# KiCad board SimulTypeUltraFullMag.kicad_pcb (continued)
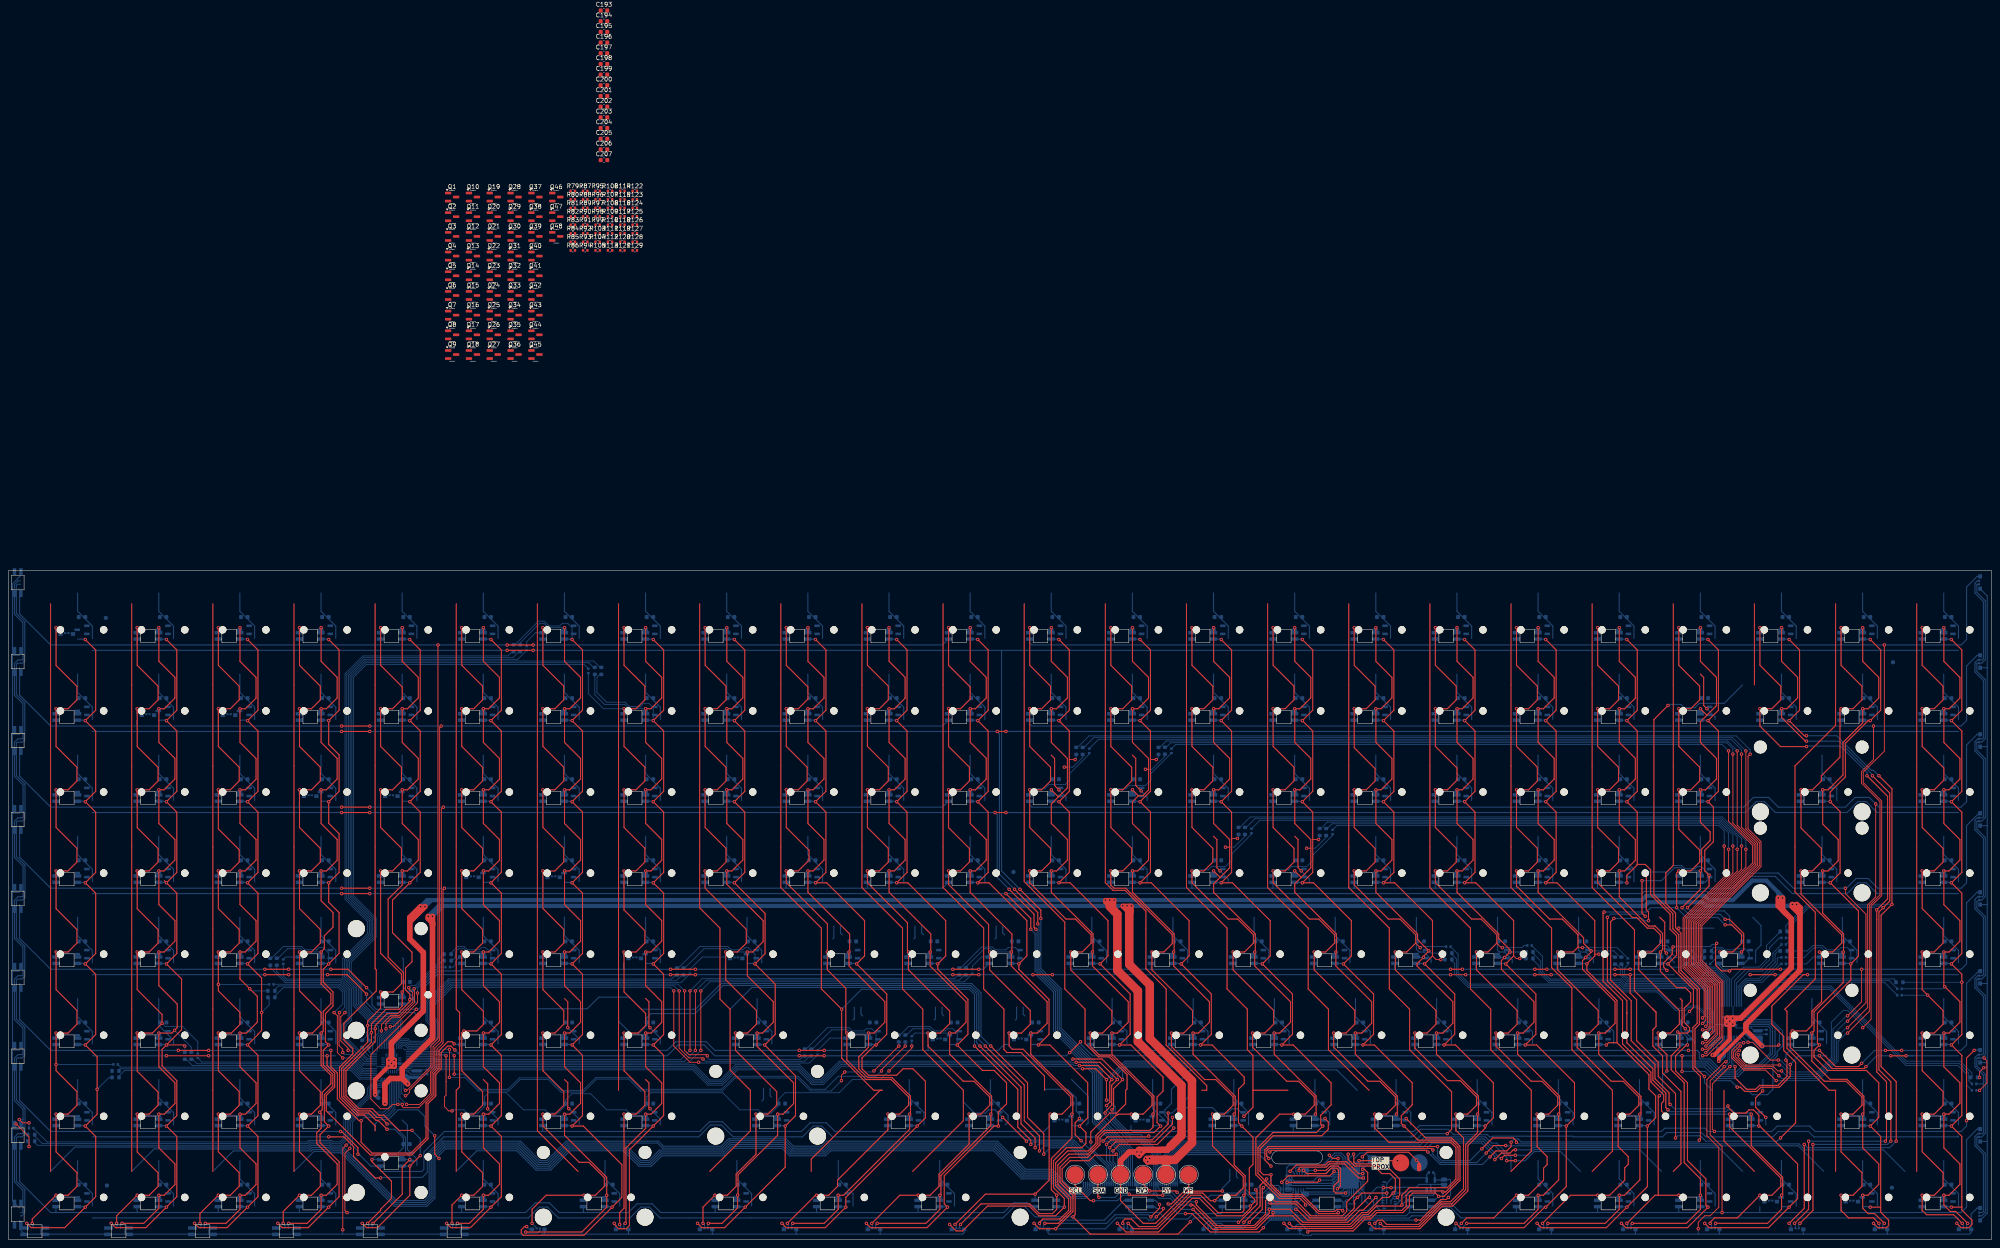
[diagram p0: board, top side]
## Placement (name value [footprint] x y rotation side) (continued)
LED136  ASMB-MTB1-0A3A2  [6028RGB]  389.92 46.56 0 bottom
LED137  ASMB-MTB1-0A3A2  [6028RGB]  420.88 46.56 0 bottom
LED138  ASMB-MTB1-0A3A2  [6028RGB]  451.83 46.56 0 bottom
LED139  ASMB-MTB1-0A3A2  [6028RGB]  13.68 27.51 0 bottom
LED140  ASMB-MTB1-0A3A2  [6028RGB]  32.73 27.51 0 bottom
LED141  ASMB-MTB1-0A3A2  [6028RGB]  51.78 27.51 0 bottom
LED142  ASMB-MTB1-0A3A2  [6028RGB]  70.83 27.51 0 bottom
LED143  ASMB-MTB1-0A3A2  [6028RGB]  89.88 17.99 0 bottom
LED144  ASMB-MTB1-0A3A2  [6028RGB]  108.93 27.51 0 bottom
LED145  ASMB-MTB1-0A3A2  [6028RGB]  127.98 27.51 0 bottom
LED146  ASMB-MTB1-0A3A2  [6028RGB]  147.03 27.51 0 bottom
LED147  ASMB-MTB1-0A3A2  [6028RGB]  177.99 27.51 0 bottom
LED148  ASMB-MTB1-0A3A2  [6028RGB]  208.95 27.51 0 bottom
LED149  ASMB-MTB1-0A3A2  [6028RGB]  228 27.51 0 bottom
LED150  ASMB-MTB1-0A3A2  [RGBSIDELENS]  247.05 27.51 0 bottom
LED151  ASMB-MTB1-0A3A2  [RGBSIDELENS]  266.1 27.51 0 bottom
LED152  ASMB-MTB1-0A3A2  [6028RGB]  285.15 27.51 0 bottom
LED153  ASMB-MTB1-0A3A2  [6028RGB]  304.2 27.51 0 bottom
LED154  ASMB-MTB1-0A3A2  [6028RGB]  323.25 27.51 0 bottom
LED155  ASMB-MTB1-0A3A2  [6028RGB]  342.3 27.51 0 bottom
LED156  ASMB-MTB1-0A3A2  [6028RGB]  361.35 27.51 0 bottom
LED157  ASMB-MTB1-0A3A2  [6028RGB]  380.4 27.51 0 bottom
LED158  ASMB-MTB1-0A3A2  [6028RGB]  406.59 27.51 0 bottom
LED159  ASMB-MTB1-0A3A2  [6028RGB]  432.78 27.51 0 bottom
LED160  ASMB-MTB1-0A3A2  [6028RGB]  451.83 27.51 0 bottom
LED161  ASMB-MTB1-0A3A2  [6028RGB]  13.68 8.46 0 bottom
LED162  ASMB-MTB1-0A3A2  [6028RGB]  32.73 8.46 0 bottom
LED163  ASMB-MTB1-0A3A2  [6028RGB]  51.78 8.46 0 bottom
LED164  ASMB-MTB1-0A3A2  [6028RGB]  70.83 8.46 0 bottom
LED165  ASMB-MTB1-0A3A2  [6028RGB]  108.93 8.46 0 bottom
LED166  ASMB-MTB1-0A3A2  [6028RGB]  137.51 8.46 0 bottom
LED167  ASMB-MTB1-0A3A2  [6028RGB]  168.47 8.46 0 bottom
LED168  ASMB-MTB1-0A3A2  [6028RGB]  192.28 8.46 0 bottom
LED169  ASMB-MTB1-0A3A2  [6028RGB]  216.09 8.46 0 bottom
LED170  ASMB-MTB1-0A3A2  [6028RGB]  287.53 8.46 0 bottom
LED171  ASMB-MTB1-0A3A2  [6028RGB]  356.58 8.46 0 bottom
LED172  ASMB-MTB1-0A3A2  [6028RGB]  375.63 8.46 0 bottom
LED173  ASMB-MTB1-0A3A2  [6028RGB]  394.68 8.46 0 bottom
LED174  ASMB-MTB1-0A3A2  [RGBSIDELENS]  413.73 8.46 0 bottom
LED175  ASMB-MTB1-0A3A2  [RGBSIDELENS]  432.78 8.46 0 bottom
LED176  ASMB-MTB1-0A3A2  [6028RGB]  451.83 8.46 0 bottom
LED177  ASMB-MTB1-0A3A2  [6028RGB]  243.53 8.46 0 bottom
LED178  ASMB-MTB1-0A3A2  [6028RGB]  265.53 8.46 0 bottom
LED179  ASMB-MTB1-0A3A2  [6028RGB]  309.53 8.46 0 bottom
LED180  ASMB-MTB1-0A3A2  [6028RGB]  331.53 8.46 0 bottom
LED181  ASMB-MTB1-0A3A2  [6028RGB]  2.16 154.33 270 bottom
LED182  ASMB-MTB1-0A3A2  [6028RGB]  2.16 135.78 270 bottom
LED183  ASMB-MTB1-0A3A2  [6028RGB]  2.16 117.23 270 bottom
LED184  ASMB-MTB1-0A3A2  [6028RGB]  2.16 98.69 270 bottom
LED185  ASMB-MTB1-0A3A2  [6028RGB]  2.16 80.14 270 bottom
LED186  ASMB-MTB1-0A3A2  [6028RGB]  2.16 61.59 270 bottom
LED187  ASMB-MTB1-0A3A2  [6028RGB]  2.16 43.04 270 bottom
LED188  ASMB-MTB1-0A3A2  [6028RGB]  2.16 24.49 270 bottom
LED189  ASMB-MTB1-0A3A2  [6028RGB]  2.16 5.94 270 bottom
LED190  ASMB-MTB1-0A3A2  [6028RGB]  6.16 1.94 0 bottom
LED191  ASMB-MTB1-0A3A2  [6028RGB]  25.86 1.94 0 bottom
LED192  ASMB-MTB1-0A3A2  [6028RGB]  45.57 1.94 0 bottom
LED193  ASMB-MTB1-0A3A2  [6028RGB]  65.27 1.94 0 bottom
LED194  ASMB-MTB1-0A3A2  [6028RGB]  84.98 1.94 0 bottom
LED195  ASMB-MTB1-0A3A2  [6028RGB]  104.68 1.94 0 bottom
LED196  ASMB-MTB1-0A3A2  [RGBSIDELENS]  124.38 1.94 0 bottom
LED197  ASMB-MTB1-0A3A2  [RGBSIDELENS]  144.09 1.94 0 bottom
LED198  ASMB-MTB1-0A3A2  [RGBSIDELENS]  163.79 1.94 0 bottom
LED199  ASMB-MTB1-0A3A2  [RGBSIDELENS]  183.5 1.94 0 bottom
LED200  ASMB-MTB1-0A3A2  [RGBSIDELENS]  203.2 1.94 0 bottom
LED201  ASMB-MTB1-0A3A2  [RGBSIDELENS]  222.91 1.94 0 bottom
LED202  ASMB-MTB1-0A3A2  [RGBSIDELENS]  242.61 1.94 0 bottom
LED203  ASMB-MTB1-0A3A2  [RGBSIDELENS]  262.31 1.94 0 bottom
LED204  ASMB-MTB1-0A3A2  [RGBSIDELENS]  282.02 1.94 0 bottom
LED205  ASMB-MTB1-0A3A2  [RGBSIDELENS]  301.72 1.94 0 bottom
LED206  ASMB-MTB1-0A3A2  [RGBSIDELENS]  321.43 1.94 0 bottom
LED207  ASMB-MTB1-0A3A2  [RGBSIDELENS]  341.13 1.94 0 bottom
LED208  ASMB-MTB1-0A3A2  [RGBSIDELENS]  360.83 1.94 0 bottom
LED209  ASMB-MTB1-0A3A2  [RGBSIDELENS]  380.54 1.94 0 bottom
LED210  ASMB-MTB1-0A3A2  [RGBSIDELENS]  400.24 1.94 0 bottom
LED211  ASMB-MTB1-0A3A2  [RGBSIDELENS]  419.95 1.94 0 bottom
LED212  ASMB-MTB1-0A3A2  [RGBSIDELENS]  439.65 1.94 0 bottom
LED213  ASMB-MTB1-0A3A2  [RGBSIDELENS]  459.36 1.94 0 bottom
LED214  ASMB-MTB1-0A3A2  [RGBSIDELENS]  463.36 5.94 90 bottom
LED215  ASMB-MTB1-0A3A2  [RGBSIDELENS]  463.36 24.49 90 bottom
LED216  ASMB-MTB1-0A3A2  [RGBSIDELENS]  463.36 43.04 90 bottom
LED217  ASMB-MTB1-0A3A2  [RGBSIDELENS]  463.36 61.59 90 bottom
LED218  ASMB-MTB1-0A3A2  [RGBSIDELENS]  463.36 80.13 90 bottom
LED219  ASMB-MTB1-0A3A2  [RGBSIDELENS]  463.36 98.68 90 bottom
LED220  ASMB-MTB1-0A3A2  [RGBSIDELENS]  463.36 117.23 90 bottom
LED221  ASMB-MTB1-0A3A2  [RGBSIDELENS]  463.36 135.78 90 bottom
LED222  ASMB-MTB1-0A3A2  [RGBSIDELENS]  463.36 154.33 90 bottom
Q1  Si2371EDS  [SOT-23]  104.15 244.92 0 top
Q2  Si2371EDS  [SOT-23]  104.15 240.29 0 top
Q3  Si2371EDS  [SOT-23]  104.15 235.67 0 top
Q4  Si2371EDS  [SOT-23]  104.15 231.04 0 top
Q5  Si2371EDS  [SOT-23]  104.15 226.42 0 top
Q6  Si2371EDS  [SOT-23]  104.15 221.79 0 top
Q7  Si2371EDS  [SOT-23]  104.15 217.17 0 top
Q8  Si2371EDS  [SOT-23]  104.15 212.54 0 top
Q9  Si2371EDS  [SOT-23]  104.15 207.92 0 top
Q10  Si2371EDS  [SOT-23]  109.04 244.92 0 top
Q11  Si2371EDS  [SOT-23]  109.04 240.29 0 top
Q12  Si2371EDS  [SOT-23]  109.04 235.67 0 top
Q13  Si2371EDS  [SOT-23]  109.04 231.04 0 top
Q14  Si2371EDS  [SOT-23]  109.04 226.42 0 top
Q15  Si2371EDS  [SOT-23]  109.04 221.79 0 top
Q16  Si2371EDS  [SOT-23]  109.04 217.17 0 top
Q17  Si2371EDS  [SOT-23]  109.04 212.54 0 top
Q18  Si2371EDS  [SOT-23]  109.04 207.92 0 top
Q19  Si2371EDS  [SOT-23]  113.93 244.92 0 top
Q20  Si2371EDS  [SOT-23]  113.93 240.29 0 top
Q21  Si2371EDS  [SOT-23]  113.93 235.67 0 top
Q22  Si2371EDS  [SOT-23]  113.93 231.04 0 top
Q23  Si2371EDS  [SOT-23]  113.93 226.42 0 top
Q24  Si2371EDS  [SOT-23]  113.93 221.79 0 top
Q25  BC849  [SOT-23]  113.93 217.17 0 top
Q26  BC849  [SOT-23]  113.93 212.54 0 top
Q27  BC849  [SOT-23]  113.93 207.92 0 top
Q28  BC849  [SOT-23]  118.82 244.92 0 top
Q29  BC849  [SOT-23]  118.82 240.29 0 top
Q30  BC849  [SOT-23]  118.82 235.67 0 top
Q31  BC849  [SOT-23]  118.82 231.04 0 top
Q32  BC849  [SOT-23]  118.82 226.42 0 top
Q33  BC849  [SOT-23]  118.82 221.79 0 top
Q34  BC849  [SOT-23]  118.82 217.17 0 top
Q35  BC849  [SOT-23]  118.82 212.54 0 top
Q36  BC849  [SOT-23]  118.82 207.92 0 top
Q37  BC849  [SOT-23]  123.71 244.92 0 top
Q38  BC849  [SOT-23]  123.71 240.29 0 top
Q39  BC849  [SOT-23]  123.71 235.67 0 top
Q40  BC849  [SOT-23]  123.71 231.04 0 top
Q41  BC849  [SOT-23]  123.71 226.42 0 top
Q42  BC849  [SOT-23]  123.71 221.79 0 top
Q43  BC849  [SOT-23]  123.71 217.17 0 top
Q44  BC849  [SOT-23]  123.71 212.54 0 top
Q45  BC849  [SOT-23]  123.71 207.92 0 top
Q46  BC849  [SOT-23]  128.6 244.92 0 top
Q47  BC849  [SOT-23]  128.6 240.29 0 top
Q48  BC849  [SOT-23]  128.6 235.67 0 top
R1  10k  [R_0603_1608Metric]  5.32 23.09 0 bottom
R2  10k  [R_0603_1608Metric]  25.13 38.08 0 bottom
R3  10k  [R_0603_1608Metric]  41.39 43.16 270 bottom
R4  10k  [R_0603_1608Metric]  61.71 56.88 0 bottom
R5  10k  [R_0603_1608Metric]  61.46 65.26 270 bottom
R6  10k  [R_0603_1608Metric]  83.05 45.95 270 bottom
R7  10k  [R_0603_1608Metric]  103.11 67.04 180 bottom
R8  10k  [R_0603_1608Metric]  118.61 138.92 270 bottom
R9  10k  [R_0603_1608Metric]  139.18 133.59 90 bottom
R10  10k  [R_0603_1608Metric]  156.96 62.97 270 bottom
R11  10k  [R_0603_1608Metric]  186.93 43.92 270 bottom
R12  10k  [R_0603_1608Metric]  209.03 47.22 270 bottom
R13  10k  [R_0603_1608Metric]  223.25 62.97 270 bottom
R14  10k  [R_0603_1608Metric]  250.69 114.79 90 bottom
R15  10k  [R_0603_1608Metric]  269.99 114.79 90 bottom
R16  10k  [R_0603_1608Metric]  288.79 95.99 90 bottom
R17  10k  [R_0603_1608Metric]  307.84 95.74 90 bottom
R18  10k  [R_0603_1608Metric]  338.06 65.77 0 bottom
R19  10k  [R_0603_1608Metric]  357.11 66.02 0 bottom
R20  10k  [R_0603_1608Metric]  377.18 65.51 270 bottom
R21  10k  [R_0603_1608Metric]  394.7 64.75 0 bottom
R22  10k  [R_0603_1608Metric]  399.02 67.8 180 bottom
R23  10k  [R_0603_1608Metric]  416.8 72.37 180 bottom
R24  10k  [R_0603_1608Metric]  416.8 67.8 180 bottom
R25  10k  [R_0603_1608Metric]  443.98 60.43 180 bottom
R26  10k  [R_0603_1608Metric]  461.5 38.08 180 bottom
R27  10k  [R_0603_1608Metric]  5.32 24.62 0 bottom
R28  10k  [R_0603_1608Metric]  25.13 39.6 0 bottom
R29  10k  [R_0603_1608Metric]  42.91 43.16 270 bottom
R30  10k  [R_0603_1608Metric]  61.71 58.4 0 bottom
R31  10k  [R_0603_1608Metric]  62.98 65.26 270 bottom
R32  10k  [R_0603_1608Metric]  84.57 45.95 270 bottom
R33  10k  [R_0603_1608Metric]  103.11 65.51 180 bottom
R34  10k  [R_0603_1608Metric]  120.13 138.92 270 bottom
R35  10k  [R_0603_1608Metric]  137.66 133.59 90 bottom
R36  10k  [R_0603_1608Metric]  158.48 62.97 270 bottom
R37  10k  [R_0603_1608Metric]  188.46 43.92 270 bottom
R38  10k  [R_0603_1608Metric]  210.55 47.22 270 bottom
R39  10k  [R_0603_1608Metric]  224.78 62.97 270 bottom
R40  10k  [R_0603_1608Metric]  252.21 114.79 90 bottom
R41  10k  [R_0603_1608Metric]  271.51 114.83 90 bottom
R42  10k  [R_0603_1608Metric]  290.31 95.99 90 bottom
R43  10k  [R_0603_1608Metric]  309.36 95.74 90 bottom
R44  10k  [R_0603_1608Metric]  338.06 67.29 0 bottom
R45  10k  [R_0603_1608Metric]  357.11 67.54 0 bottom
R46  10k  [R_0603_1608Metric]  378.7 65.51 270 bottom
R47  10k  [R_0603_1608Metric]  394.7 66.27 0 bottom
R48  10k  [R_0603_1608Metric]  399.02 66.27 180 bottom
R49  10k  [R_0402_1005Metric]  416.8 70.85 180 bottom
R50  10k  [R_0402_1005Metric]  416.8 66.27 180 bottom
R51  10k  [R_0402_1005Metric]  443.98 58.91 180 bottom
R52  51  [R_0402_1005Metric]  461.5 36.56 180 bottom
R53  51  [R_0402_1005Metric]  5.32 26.14 0 bottom
R54  51  [R_0402_1005Metric]  25.13 41.13 0 bottom
R55  51  [R_0402_1005Metric]  44.44 43.16 270 bottom
R56  51  [R_0402_1005Metric]  61.71 59.92 0 bottom
R57  51  [R_0402_1005Metric]  64.5 65.26 270 bottom
R58  51  [R_0402_1005Metric]  85.84 46.97 270 bottom
R59  51  [R_0402_1005Metric]  103.11 63.99 180 bottom
R60  51  [R_0402_1005Metric]  121.65 138.92 270 bottom
R61  51  [R_0402_1005Metric]  136.13 133.59 90 bottom
R62  51  [R_0402_1005Metric]  160.01 62.97 270 bottom
R63  51  [R_0402_1005Metric]  189.98 43.92 270 bottom
R64  51  [R_0402_1005Metric]  212.08 47.22 270 bottom
R65  51  [R_0402_1005Metric]  226.3 62.97 270 bottom
R66  51  [R_0402_1005Metric]  253.73 114.79 90 bottom
R67  51  [R_0402_1005Metric]  273.04 114.79 90 bottom
R68  51  [R_0402_1005Metric]  291.83 95.99 90 bottom
R69  51  [R_0402_1005Metric]  310.88 95.74 90 bottom
R70  51  [R_0402_1005Metric]  338.06 68.81 0 bottom
R71  51  [R_0402_1005Metric]  357.11 69.07 0 bottom
R72  51  [R_0402_1005Metric]  380.23 65.51 270 bottom
R73  51  [R_0402_1005Metric]  394.7 67.8 0 bottom
R74  51  [R_0402_1005Metric]  399.02 64.75 180 bottom
R75  51  [R_0402_1005Metric]  416.8 69.32 180 bottom
R76  51  [R_0402_1005Metric]  416.8 64.75 180 bottom
R77  51  [R_0402_1005Metric]  443.98 57.38 180 bottom
R78  20  [R_0402_1005Metric]  461.51 35.03 180 bottom
R79  20  [R_0402_1005Metric]  132.5 246.32 0 top
R80  20  [R_0402_1005Metric]  132.5 244.33 0 top
R81  20  [R_0402_1005Metric]  132.5 242.34 0 top
R82  20  [R_0402_1005Metric]  132.5 240.35 0 top
R83  20  [R_0402_1005Metric]  132.5 238.36 0 top
R84  20  [R_0402_1005Metric]  132.5 236.37 0 top
R85  20  [R_0402_1005Metric]  132.5 234.38 0 top
R86  20  [R_0402_1005Metric]  132.5 232.39 0 top
R87  20  [R_0402_1005Metric]  135.41 246.32 0 top
R88  20  [R_0402_1005Metric]  135.41 244.33 0 top
R89  20  [R_0402_1005Metric]  135.41 242.34 0 top
R90  20  [R_0402_1005Metric]  135.41 240.35 0 top
R91  20  [R_0402_1005Metric]  135.41 238.36 0 top
R92  20  [R_0402_1005Metric]  135.41 236.37 0 top
R93  20  [R_0402_1005Metric]  135.41 234.38 0 top
R94  20  [R_0402_1005Metric]  135.41 232.39 0 top
R95  20  [R_0402_1005Metric]  138.32 246.32 0 top
R96  20  [R_0402_1005Metric]  138.32 244.33 0 top
R97  20  [R_0402_1005Metric]  138.32 242.34 0 top
R98  20  [R_0402_1005Metric]  138.32 240.35 0 top
R99  20  [R_0402_1005Metric]  138.32 238.36 0 top
R100  20  [R_0402_1005Metric]  334 15.73 0 bottom
R101  20  [R_0402_1005Metric]  98.29 39.35 270 bottom
R102  20  [R_0402_1005Metric]  412.74 48.75 90 bottom
R103  20  [R_0402_1005Metric]  138.32 236.37 0 top
R104  20  [R_0402_1005Metric]  138.32 234.38 0 top
R105  20  [R_0402_1005Metric]  138.32 232.39 0 top
R106  20  [R_0402_1005Metric]  141.23 246.32 0 top
R107  20  [R_0402_1005Metric]  141.23 244.33 0 top
R108  20  [R_0402_1005Metric]  141.23 242.34 0 top
R109  20  [R_0402_1005Metric]  141.23 240.35 0 top
R110  20  [R_0402_1005Metric]  141.23 238.36 0 top
R111  20  [R_0402_1005Metric]  141.23 236.37 0 top
R112  20  [R_0402_1005Metric]  141.23 234.38 0 top
R113  20  [R_0402_1005Metric]  141.23 232.39 0 top
R114  20  [R_0402_1005Metric]  144.14 246.32 0 top
R115  20  [R_0402_1005Metric]  144.14 244.33 0 top
R116  20  [R_0402_1005Metric]  144.14 242.34 0 top
R117  20  [R_0402_1005Metric]  144.14 240.35 0 top
R118  20  [R_0402_1005Metric]  144.14 238.36 0 top
R119  20  [R_0402_1005Metric]  144.14 236.37 0 top
R120  20  [R_0402_1005Metric]  144.14 234.38 0 top
R121  20  [R_0402_1005Metric]  144.14 232.39 0 top
R122  20  [R_0402_1005Metric]  147.05 246.32 0 top
R123  20  [R_0402_1005Metric]  147.05 244.33 0 top
R124  20  [R_0402_1005Metric]  147.05 242.34 0 top
R125  20  [R_0402_1005Metric]  147.05 240.35 0 top
R126  20  [R_0402_1005Metric]  147.05 238.36 0 top
R127  20  [R_0402_1005Metric]  147.05 236.37 0 top
R128  20  [R_0402_1005Metric]  147.05 234.38 0 top
R129  20  [R_0402_1005Metric]  147.05 232.39 0 top
SW1  ~  [SW_GATERON_MAG_ANALOG_1.00u]  17.26 143.24 0 top
SW2  ~  [SW_GATERON_MAG_ANALOG_1.00u]  36.31 143.24 0 top
SW3  ~  [SW_GATERON_MAG_ANALOG_1.00u]  55.36 143.24 0 top
SW4  ~  [SW_GATERON_MAG_ANALOG_1.00u]  74.41 143.24 0 top
SW5  ~  [SW_GATERON_MAG_ANALOG_1.00u]  93.46 143.24 0 top
SW6  ~  [SW_GATERON_MAG_ANALOG_1.00u]  112.51 143.24 0 top
SW7  ~  [SW_GATERON_MAG_ANALOG_1.00u]  131.56 143.24 0 top
SW8  ~  [SW_GATERON_MAG_ANALOG_1.00u]  150.61 143.24 0 top
SW9  ~  [SW_GATERON_MAG_ANALOG_1.00u]  169.66 143.24 0 top
SW10  ~  [SW_GATERON_MAG_ANALOG_1.00u]  188.71 143.24 0 top
SW11  ~  [SW_GATERON_MAG_ANALOG_1.00u]  207.76 143.24 0 top
SW12  ~  [SW_GATERON_MAG_ANALOG_1.00u]  226.81 143.24 0 top
SW13  ~  [SW_GATERON_MAG_ANALOG_1.00u]  245.86 143.24 0 top
SW14  ~  [SW_GATERON_MAG_ANALOG_1.00u]  264.91 143.24 0 top
SW15  ~  [SW_GATERON_MAG_ANALOG_1.00u]  283.96 143.24 0 top
SW16  ~  [SW_GATERON_MAG_ANALOG_1.00u]  303.01 143.24 0 top
SW17  ~  [SW_GATERON_MAG_ANALOG_1.00u]  322.06 143.24 0 top
SW18  ~  [SW_GATERON_MAG_ANALOG_1.00u]  341.11 143.24 0 top
SW19  ~  [SW_GATERON_MAG_ANALOG_1.00u]  360.16 143.24 0 top
SW20  ~  [SW_GATERON_MAG_ANALOG_1.00u]  379.21 143.24 0 top
SW21  ~  [SW_GATERON_MAG_ANALOG_1.00u]  398.26 143.24 0 top
SW22  ~  [SW_GATERON_MAG_ANALOG_1.00u]  417.31 143.24 0 top
SW23  ~  [SW_GATERON_MAG_ANALOG_1.00u]  436.36 143.24 0 top
SW24  ~  [SW_GATERON_MAG_ANALOG_1.00u]  455.41 143.24 0 top
SW25  ~  [SW_GATERON_MAG_ANALOG_1.00u]  17.26 124.19 0 top
SW26  ~  [SW_GATERON_MAG_ANALOG_1.00u]  36.31 124.19 0 top
SW27  ~  [SW_GATERON_MAG_ANALOG_1.00u]  55.36 124.19 0 top
SW28  ~  [SW_GATERON_MAG_ANALOG_1.00u]  74.41 124.19 0 top
SW29  ~  [SW_GATERON_MAG_ANALOG_1.00u]  93.46 124.19 0 top
SW30  ~  [SW_GATERON_MAG_ANALOG_1.00u]  112.51 124.19 0 top
SW31  ~  [SW_GATERON_MAG_ANALOG_1.00u]  131.56 124.19 0 top
SW32  ~  [SW_GATERON_MAG_ANALOG_1.00u]  150.61 124.19 0 top
SW33  ~  [SW_GATERON_MAG_ANALOG_1.00u]  169.66 124.19 0 top
SW34  ~  [SW_GATERON_MAG_ANALOG_1.00u]  188.71 124.19 0 top
SW35  ~  [SW_GATERON_MAG_ANALOG_1.00u]  207.76 124.19 0 top
SW36  ~  [SW_GATERON_MAG_ANALOG_1.00u]  226.81 124.19 0 top
SW37  ~  [SW_GATERON_MAG_ANALOG_1.00u]  245.86 124.19 0 top
SW38  ~  [SW_GATERON_MAG_ANALOG_1.00u]  264.91 124.19 0 top
SW39  ~  [SW_GATERON_MAG_ANALOG_1.00u]  283.96 124.19 0 top
SW40  ~  [SW_GATERON_MAG_ANALOG_1.00u]  303.01 124.19 0 top
SW41  ~  [SW_GATERON_MAG_ANALOG_1.00u]  322.06 124.19 0 top
SW42  ~  [SW_GATERON_MAG_ANALOG_1.00u]  341.11 124.19 0 top
SW43  ~  [SW_GATERON_MAG_ANALOG_1.00u]  360.16 124.19 0 top
SW44  ~  [SW_GATERON_MAG_ANALOG_1.00u]  379.21 124.19 0 top
SW45  ~  [SW_GATERON_MAG_ANALOG_1.00u]  398.26 124.19 0 top
SW46  ~  [SW_GATERON_MAG_ANALOG_1.00u]  417.31 124.19 0 top
SW47  ~  [SW_GATERON_MAG_ANALOG_1.00u]  436.36 124.19 0 top
SW48  ~  [SW_GATERON_MAG_ANALOG_1.00u]  455.41 124.19 0 top
SW49  ~  [SW_GATERON_MAG_ANALOG_1.00u]  17.26 105.14 0 top
SW50  ~  [SW_GATERON_MAG_ANALOG_1.00u]  36.31 105.14 0 top
SW51  ~  [SW_GATERON_MAG_ANALOG_1.00u]  55.36 105.14 0 top
SW52  ~  [SW_GATERON_MAG_ANALOG_1.00u]  74.41 105.14 0 top
SW53  ~  [SW_GATERON_MAG_ANALOG_1.00u]  93.46 105.14 0 top
SW54  ~  [SW_GATERON_MAG_ANALOG_1.00u]  112.51 105.14 0 top
SW55  ~  [SW_GATERON_MAG_ANALOG_1.00u]  131.56 105.14 0 top
SW56  ~  [SW_GATERON_MAG_ANALOG_1.00u]  150.61 105.14 0 top
SW57  ~  [SW_GATERON_MAG_ANALOG_1.00u]  169.66 105.14 0 top
SW58  ~  [SW_GATERON_MAG_ANALOG_1.00u]  188.71 105.14 0 top
SW59  ~  [SW_GATERON_MAG_ANALOG_1.00u]  207.76 105.14 0 top
SW60  ~  [SW_GATERON_MAG_ANALOG_1.00u]  226.81 105.14 0 top
SW61  ~  [SW_GATERON_MAG_ANALOG_1.00u]  245.86 105.14 0 top
SW62  ~  [SW_GATERON_MAG_ANALOG_1.00u]  264.91 105.14 0 top
SW63  ~  [SW_GATERON_MAG_ANALOG_1.00u]  283.96 105.14 0 top
SW64  ~  [SW_GATERON_MAG_ANALOG_1.00u]  303.01 105.14 0 top
SW65  ~  [SW_GATERON_MAG_ANALOG_1.00u]  322.06 105.14 0 top
SW66  ~  [SW_GATERON_MAG_ANALOG_1.00u]  341.11 105.14 0 top
SW67  ~  [SW_GATERON_MAG_ANALOG_1.00u]  360.16 105.14 0 top
SW68  ~  [SW_GATERON_MAG_ANALOG_1.00u]  379.21 105.14 0 top
SW69  ~  [SW_GATERON_MAG_ANALOG_1.00u]  398.26 105.14 0 top
SW70  ~  [SW_GATERON_MAG_ANALOG_1.00u]  426.83 105.14 0 top
SW71  ~  [SW_GATERON_MAG_ANALOG_1.00u]  455.41 105.14 0 top
SW72  ~  [SW_GATERON_MAG_ANALOG_1.00u]  17.26 86.09 0 top
SW73  ~  [SW_GATERON_MAG_ANALOG_1.00u]  36.31 86.09 0 top
SW74  ~  [SW_GATERON_MAG_ANALOG_1.00u]  55.36 86.09 0 top
SW75  ~  [SW_GATERON_MAG_ANALOG_1.00u]  74.41 86.09 0 top
SW76  ~  [SW_GATERON_MAG_ANALOG_1.00u]  93.46 86.09 0 top
SW77  ~  [SW_GATERON_MAG_ANALOG_1.00u]  112.51 86.09 0 top
SW78  ~  [SW_GATERON_MAG_ANALOG_1.00u]  131.56 86.09 0 top
SW79  ~  [SW_GATERON_MAG_ANALOG_1.00u]  150.61 86.09 0 top
SW80  ~  [SW_GATERON_MAG_ANALOG_1.00u]  169.66 86.09 0 top
SW81  ~  [SW_GATERON_MAG_ANALOG_1.00u]  188.71 86.09 0 top
SW82  ~  [SW_GATERON_MAG_ANALOG_1.00u]  207.76 86.09 0 top
SW83  ~  [SW_GATERON_MAG_ANALOG_1.00u]  226.81 86.09 0 top
SW84  ~  [SW_GATERON_MAG_ANALOG_1.00u]  245.86 86.09 0 top
SW85  ~  [SW_GATERON_MAG_ANALOG_1.00u]  264.91 86.09 0 top
SW86  ~  [SW_GATERON_MAG_ANALOG_1.00u]  283.96 86.09 0 top
SW87  ~  [SW_GATERON_MAG_ANALOG_1.00u]  303.01 86.09 0 top
SW88  ~  [SW_GATERON_MAG_ANALOG_1.00u]  322.06 86.09 0 top
SW89  ~  [SW_GATERON_MAG_ANALOG_1.00u]  341.11 86.09 0 top
SW90  ~  [SW_GATERON_MAG_ANALOG_1.00u]  360.16 86.09 0 top
SW91  ~  [SW_GATERON_MAG_ANALOG_1.00u]  379.21 86.09 0 top
SW92  ~  [SW_GATERON_MAG_ANALOG_1.00u]  398.26 86.09 0 top
SW93  ~  [SW_GATERON_MAG_ANALOG_1.00u]  426.83 86.09 0 top
SW94  ~  [SW_GATERON_MAG_ANALOG_1.00u]  455.41 86.09 0 top
SW95  ~  [SW_GATERON_MAG_ANALOG_1.00u]  17.26 67.04 0 top
SW96  ~  [SW_GATERON_MAG_ANALOG_1.00u]  36.31 67.04 0 top
SW97  ~  [SW_GATERON_MAG_ANALOG_1.00u]  55.36 67.04 0 top
SW98  ~  [SW_GATERON_MAG_ANALOG_1.00u]  74.41 67.04 0 top
SW99  ~  [SW_GATERON_MAG_ANALOG_1.00u]  93.46 57.51 0 top
SW100  ~  [SW_GATERON_MAG_ANALOG_1.00u]  112.51 67.04 0 top
SW101  ~  [SW_GATERON_MAG_ANALOG_1.00u]  131.56 67.04 0 top
SW102  ~  [SW_GATERON_MAG_ANALOG_1.00u]  150.61 67.04 0 top
SW103  ~  [SW_GATERON_MAG_ANALOG_1.00u]  174.42 67.04 0 top
SW104  ~  [SW_GATERON_MAG_ANALOG_1.00u]  198.23 67.04 0 top
SW105  ~  [SW_GATERON_MAG_ANALOG_1.00u]  217.28 67.04 0 top
SW106  ~  [SW_GATERON_MAG_ANALOG_1.00u]  236.33 67.04 0 top
SW107  ~  [SW_GATERON_MAG_ANALOG_1.00u]  255.38 67.04 0 top
SW108  ~  [SW_GATERON_MAG_ANALOG_1.00u]  274.43 67.04 0 top
SW109  ~  [SW_GATERON_MAG_ANALOG_1.00u]  293.48 67.04 0 top
SW110  ~  [SW_GATERON_MAG_ANALOG_1.00u]  312.53 67.04 0 top
SW111  ~  [SW_GATERON_MAG_ANALOG_1.00u]  331.58 67.04 0 top
SW112  ~  [SW_GATERON_MAG_ANALOG_1.00u]  350.63 67.04 0 top
SW113  ~  [SW_GATERON_MAG_ANALOG_1.00u]  369.68 67.04 0 top
SW114  ~  [SW_GATERON_MAG_ANALOG_1.00u]  388.73 67.04 0 top
SW115  ~  [SW_GATERON_MAG_ANALOG_1.00u]  407.78 67.04 0 top
SW116  ~  [SW_GATERON_MAG_ANALOG_1.00u]  431.6 67.04 0 top
SW117  ~  [SW_GATERON_MAG_ANALOG_1.00u]  455.41 67.04 0 top
SW118  ~  [SW_GATERON_MAG_ANALOG_1.00u]  17.26 47.99 0 top
SW119  ~  [SW_GATERON_MAG_ANALOG_1.00u]  36.31 47.99 0 top
SW120  ~  [SW_GATERON_MAG_ANALOG_1.00u]  55.36 47.99 0 top
SW121  ~  [SW_GATERON_MAG_ANALOG_1.00u]  74.41 47.99 0 top
SW122  ~  [SW_GATERON_MAG_ANALOG_1.00u]  112.51 47.99 0 top
SW123  ~  [SW_GATERON_MAG_ANALOG_1.00u]  131.56 47.99 0 top
SW124  ~  [SW_GATERON_MAG_ANALOG_1.00u]  150.61 47.99 0 top
SW125  ~  [SW_GATERON_MAG_ANALOG_1.00u]  176.8 47.99 0 top
SW126  ~  [SW_GATERON_MAG_ANALOG_1.00u]  203 47.99 0 top
SW127  ~  [SW_GATERON_MAG_ANALOG_1.00u]  222.05 47.99 0 top
SW128  ~  [SW_GATERON_MAG_ANALOG_1.00u]  241.1 47.99 0 top
SW129  ~  [SW_GATERON_MAG_ANALOG_1.00u]  260.15 47.99 0 top
SW130  ~  [SW_GATERON_MAG_ANALOG_1.00u]  279.2 47.99 0 top
SW131  ~  [SW_GATERON_MAG_ANALOG_1.00u]  298.25 47.99 0 top
SW132  ~  [SW_GATERON_MAG_ANALOG_1.00u]  317.3 47.99 0 top
SW133  ~  [SW_GATERON_MAG_ANALOG_1.00u]  336.35 47.99 0 top
SW134  ~  [SW_GATERON_MAG_ANALOG_1.00u]  355.4 47.99 0 top
SW135  ~  [SW_GATERON_MAG_ANALOG_1.00u]  374.45 47.99 0 top
SW136  ~  [SW_GATERON_MAG_ANALOG_1.00u]  393.5 47.99 0 top
SW137  ~  [SW_GATERON_MAG_ANALOG_1.00u]  424.45 47.99 0 top
SW138  ~  [SW_GATERON_MAG_ANALOG_1.00u]  455.41 47.99 0 top
SW139  ~  [SW_GATERON_MAG_ANALOG_1.00u]  17.26 28.94 0 top
SW140  ~  [SW_GATERON_MAG_ANALOG_1.00u]  36.31 28.94 0 top
SW141  ~  [SW_GATERON_MAG_ANALOG_1.00u]  55.36 28.94 0 top
SW142  ~  [SW_GATERON_MAG_ANALOG_1.00u]  74.41 28.94 0 top
SW143  ~  [SW_GATERON_MAG_ANALOG_1.00u]  93.46 19.41 0 top
SW144  ~  [SW_GATERON_MAG_ANALOG_1.00u]  112.51 28.94 0 top
SW145  ~  [SW_GATERON_MAG_ANALOG_1.00u]  131.56 28.94 0 top
SW146  ~  [SW_GATERON_MAG_ANALOG_1.00u]  150.61 28.94 0 top
SW147  ~  [SW_GATERON_MAG_ANALOG_1.00u]  181.57 28.94 0 top
SW148  ~  [SW_GATERON_MAG_ANALOG_1.00u]  212.52 28.94 0 top
SW149  ~  [SW_GATERON_MAG_ANALOG_1.00u]  231.57 28.94 0 top
SW150  ~  [SW_GATERON_MAG_ANALOG_1.00u]  250.62 28.94 0 top
SW151  ~  [SW_GATERON_MAG_ANALOG_1.00u]  269.67 28.94 0 top
SW152  ~  [SW_GATERON_MAG_ANALOG_1.00u]  288.72 28.94 0 top
SW153  ~  [SW_GATERON_MAG_ANALOG_1.00u]  307.77 28.94 0 top
SW154  ~  [SW_GATERON_MAG_ANALOG_1.00u]  326.82 28.94 0 top
SW155  ~  [SW_GATERON_MAG_ANALOG_1.00u]  345.87 28.94 0 top
SW156  ~  [SW_GATERON_MAG_ANALOG_1.00u]  364.92 28.94 0 top
SW157  ~  [SW_GATERON_MAG_ANALOG_1.00u]  383.97 28.94 0 top
SW158  ~  [SW_GATERON_MAG_ANALOG_1.00u]  410.17 28.94 0 top
SW159  ~  [SW_GATERON_MAG_ANALOG_1.00u]  436.36 28.94 0 top
SW160  ~  [SW_GATERON_MAG_ANALOG_1.00u]  455.41 28.94 0 top
SW161  ~  [SW_GATERON_MAG_ANALOG_1.00u]  17.26 9.89 0 top
SW162  ~  [SW_GATERON_MAG_ANALOG_1.00u]  36.31 9.89 0 top
SW163  ~  [SW_GATERON_MAG_ANALOG_1.00u]  55.36 9.89 0 top
SW164  ~  [SW_GATERON_MAG_ANALOG_1.00u]  74.41 9.89 0 top
SW165  ~  [SW_GATERON_MAG_ANALOG_1.00u]  112.51 9.89 0 top
SW166  ~  [SW_GATERON_MAG_ANALOG_1.00u]  141.08 9.89 0 top
SW167  ~  [SW_GATERON_MAG_ANALOG_1.00u]  172.04 9.89 0 top
SW168  ~  [SW_GATERON_MAG_ANALOG_1.00u]  195.85 9.89 0 top
SW169  ~  [SW_GATERON_MAG_ANALOG_1.00u]  219.67 9.89 0 top
SW170  ~  [SW_GATERON_MAG_ANALOG_1.00u]  291.1 9.89 0 top
SW171  ~  [SW_GATERON_MAG_ANALOG_1.00u]  360.16 9.89 0 top
SW172  ~  [SW_GATERON_MAG_ANALOG_1.00u]  379.21 9.89 0 top
SW173  ~  [SW_GATERON_MAG_ANALOG_1.00u]  398.26 9.89 0 top
SW174  ~  [SW_GATERON_MAG_ANALOG_1.00u]  417.31 9.89 0 top
SW175  ~  [SW_GATERON_MAG_ANALOG_1.00u]  436.36 9.89 0 top
SW176  ~  [SW_GATERON_MAG_ANALOG_1.00u]  455.41 9.89 0 top
TP1  TestPoint  [TestPoint_Pad_D4.0mm]  271.77 15.22 180 top  (not fitted)
TP2  TestPoint  [TestPoint_Pad_D4.0mm]  266.43 15.22 180 top  (not fitted)
TP3  TestPoint  [TestPoint_Pad_D4.0mm]  250.43 15.22 180 top  (not fitted)
TP4  TestPoint  [TestPoint_Pad_D4.0mm]  255.77 15.22 180 top  (not fitted)
TP5  TestPoint  [TestPoint_Pad_D4.0mm]  277.1 15.22 180 top  (not fitted)
TP6  TestPoint  [TestPoint_Pad_D4.0mm]  261.1 15.22 180 top  (not fitted)
TP7  TestPoint  [TestPoint_Pad_2.0x2.0mm]  320.14 18.78 180 bottom  (not fitted)
U1  IS31FL3741  [QFN-60-1EP_7x7mm_P0.4mm_EP5x5mm]  298.95 8.36 180 bottom
U2  IS31FL3741  [QFN-60-1EP_7x7mm_P0.4mm_EP5x5mm]  314.55 14.46 180 bottom
U3  24AA02-OT  [SOT-23-5]  333.93 12.83 90 bottom
U4  CY8CMBR3106S  [QFN-24-1EP_4x4mm_P0.5mm_EP2.6x2.6mm]  89.9 41.38 180 bottom
U5  24AA02-OT  [SOT-23-5]  404.1 51.29 180 bottom

## Library data of the parts
C1-C176 C194 C196 C198 C200 C203 C204 = -: LCSC: C1591; ki_fp_filters: C_*
C193 C195 C197 C199 C201 C202 C206 = -: LCSC: C1592; ki_fp_filters: C_*
C205 = -: LCSC: C1673; ki_fp_filters: C_*
C207 = -: LCSC: C16033; ki_fp_filters: C_*
DRA1-DRA8 = -: ki_fp_filters: DINRailAdapter?3xM3* DINRailAdapter?2xM3*
FID1-FID5 = -: ki_fp_filters: Fiducial*
J1 = -: LCSC: C2998867; ki_fp_filters: Connector*:*_1x??_*
J2 = -: LCSC: C7433425; ki_fp_filters: Sensirion?DFN*1.5x1.5mm*P0.8mm*SHT4x*
J3 J4 = -: LCSC: C5143821; ki_fp_filters: Connector*:*_1x??_*
J5 = -: LCSC: C3012329; ki_fp_filters: Connector*:*_1x??_*
JP1 = -: ki_fp_filters: SolderJumper*Open*
LED1 LED26 LED27 LED52 LED53 LED77 LED78 LED102 LED103 LED127 LED128 LED150 LED151 LED174 LED175 LED196-LED222 = -: Datasheet: https://datasheet.lcsc.com/lcsc/2402181506_XINGLIGHT-XL-3210RGBC-YG_C965884.pdf; LCSC: C965884; ki_fp_filters: *Avago*PLCC4*3.2x2.8mm*
LED2-LED25 LED28-LED51 LED54-LED76 LED79-LED101 LED104-LED126 LED129-LED149 LED152-LED173 LED176-LED195 = -: ki_fp_filters: *Avago*PLCC4*3.2x2.8mm*
Q1-Q24 = -: Datasheet: http://www.vishay.com/docs/63924/si2371eds.pdf; LCSC: C8547; ki_fp_filters: SOT?23*
Q25-Q48 = -: LCSC: C2145; ki_fp_filters: SOT?23*
R1-R48 = -: LCSC: C2930027; ki_fp_filters: R_*
R49-R51 = -: LCSC: C25744; ki_fp_filters: R_*
R52-R77 = -: LCSC: C25125; ki_fp_filters: R_*
R78-R129 = -: LCSC: C25089; ki_fp_filters: R_*
TP1-TP7 = -: ki_fp_filters: Pin* Test*
U1 U2 = -: Datasheet: https://datasheet.lcsc.com/lcsc/2206282015_ISSI-Integrated-Silicon-Solution-IS31FL3741A-QFLS4-TR_C2940604.pdf; LCSC: C2940604; ki_fp_filters: ESP32?S2?WROVER*
U3 U5 = -: Datasheet: https://datasheet.lcsc.com/lcsc/2303081530_FMD-Fremont-Micro-Devices-FT24C64A-ELR-T_C5263778.pdf; LCSC: C5263778; ki_fp_filters: SOT?23*
U4 = -: Datasheet: http://www.cypress.com/?docID=49119; LCSC: C2952476; ki_fp_filters: QFN*1EP*4x4mm*P0.5mm*

## Footprints (pads in the part's own frame, mm; a bottom-side part is the same pattern mirrored in y, then rotated)
6028RGB
  rrect 1.7x0.82 smd: 1(2.55,0.75)
  rect 1.7x0.82 smd: 2(2.55,-0.75) 3(-2.55,-0.75) 4(-2.55,0.75)
C_0603_1608Metric
  rrect 0.9x0.95 smd: 1(-0.775,0) 2(0.775,0)
Fiducial_1mm_Mask2mm
  round 1 smd: (0,0)
JST_SH_SM04B-SRSS-TB_1x04-1MP_P1.00mm_Horizontal
  rrect 0.6x1.55 smd: 1(-1.5,2) 2(-0.5,2) 3(0.5,2) 4(1.5,2)
  rrect 1.2x1.8 smd: MP(-2.8,-1.875) MP(2.8,-1.875)
Molex_502250-1791_2Rows-17Pins-1MP_P0.60mm_Horizontal
  rect 0.8x0.26 smd: 1(-1.4,2.4) 3(-1.4,1.8) 5(-1.4,1.2) 7(-1.4,0.6) 9(-1.4,0) 11(-1.4,-0.6) 13(-1.4,-1.2) 15(-1.4,-1.8) 17(-1.4,-2.4)
  rect 0.65x0.3 smd: 2(1.475,2.1) 4(1.475,1.5) 6(1.475,0.9) 8(1.475,0.3) 10(1.475,-0.3) 12(1.475,-0.9) 14(1.475,-1.5) 16(1.475,-2.1)
  rect 0.85x0.4 smd: MP(-1.075,-3.1) MP(-1.075,3.1)
QFN-24-1EP_4x4mm_P0.5mm_EP2.6x2.6mm
  rrect 1.05x1.05 smd: (-0.65,-0.65) (-0.65,0.65) (0.65,-0.65) (0.65,0.65)
  rrect 0.825x0.25 smd: 1(-1.938,1.25) 2(-1.938,0.75) 3(-1.938,0.25) 4(-1.938,-0.25) 5(-1.938,-0.75) 6(-1.938,-1.25) 13(1.938,-1.25) 14(1.938,-0.75) 15(1.938,-0.25) 16(1.938,0.25) 17(1.938,0.75) 18(1.938,1.25)
  rrect 0.25x0.825 smd: 7(-1.25,-1.938) 8(-0.75,-1.938) 9(-0.25,-1.938) 10(0.25,-1.938) 11(0.75,-1.938) 12(1.25,-1.938) 19(1.25,1.938) 20(0.75,1.938) 21(0.25,1.938) 22(-0.25,1.938) 23(-0.75,1.938) 24(-1.25,1.938)
  rect 2.6x2.6 smd: 25(0,0)
QFN-60-1EP_7x7mm_P0.4mm_EP5x5mm
  rrect 1.07x1.07 smd: (-1.33,-1.33) (-1.33,0) (-1.33,1.33) (0,-1.33) (0,0) (0,1.33) (1.33,-1.33) (1.33,0) (1.33,1.33)
  rrect 0.8x0.2 smd: 1(-3.45,2.8) 2(-3.45,2.4) 3(-3.45,2) 4(-3.45,1.6) 5(-3.45,1.2) 6(-3.45,0.8) 7(-3.45,0.4) 8(-3.45,0) 9(-3.45,-0.4) 10(-3.45,-0.8) 11(-3.45,-1.2) 12(-3.45,-1.6) 13(-3.45,-2) 14(-3.45,-2.4) 15(-3.45,-2.8) 31(3.45,-2.8) 32(3.45,-2.4) 33(3.45,-2) 34(3.45,-1.6) 35(3.45,-1.2) 36(3.45,-0.8) 37(3.45,-0.4) 38(3.45,0) 39(3.45,0.4) 40(3.45,0.8) 41(3.45,1.2) 42(3.45,1.6) 43(3.45,2) 44(3.45,2.4) 45(3.45,2.8)
  rrect 0.2x0.8 smd: 16(-2.8,-3.45) 17(-2.4,-3.45) 18(-2,-3.45) 19(-1.6,-3.45) 20(-1.2,-3.45) 21(-0.8,-3.45) 22(-0.4,-3.45) 23(0,-3.45) 24(0.4,-3.45) 25(0.8,-3.45) 26(1.2,-3.45) 27(1.6,-3.45) 28(2,-3.45) 29(2.4,-3.45) 30(2.8,-3.45) 46(2.8,3.45) 47(2.4,3.45) 48(2,3.45) 49(1.6,3.45) 50(1.2,3.45) 51(0.8,3.45) 52(0.4,3.45) 53(0,3.45) 54(-0.4,3.45) 55(-0.8,3.45) 56(-1.2,3.45) 57(-1.6,3.45) 58(-2,3.45) 59(-2.4,3.45) 60(-2.8,3.45)
  rect 5x5 smd: EP(0,0)
R_0402_1005Metric
  rrect 0.54x0.64 smd: 1(-0.51,0) 2(0.51,0)
R_0603_1608Metric
  rrect 0.8x0.95 smd: 1(-0.825,0) 2(0.825,0)
